# KiCad board TERES_PCB1-A64-MAIN_Rev.B.kicad_pcb (continued)
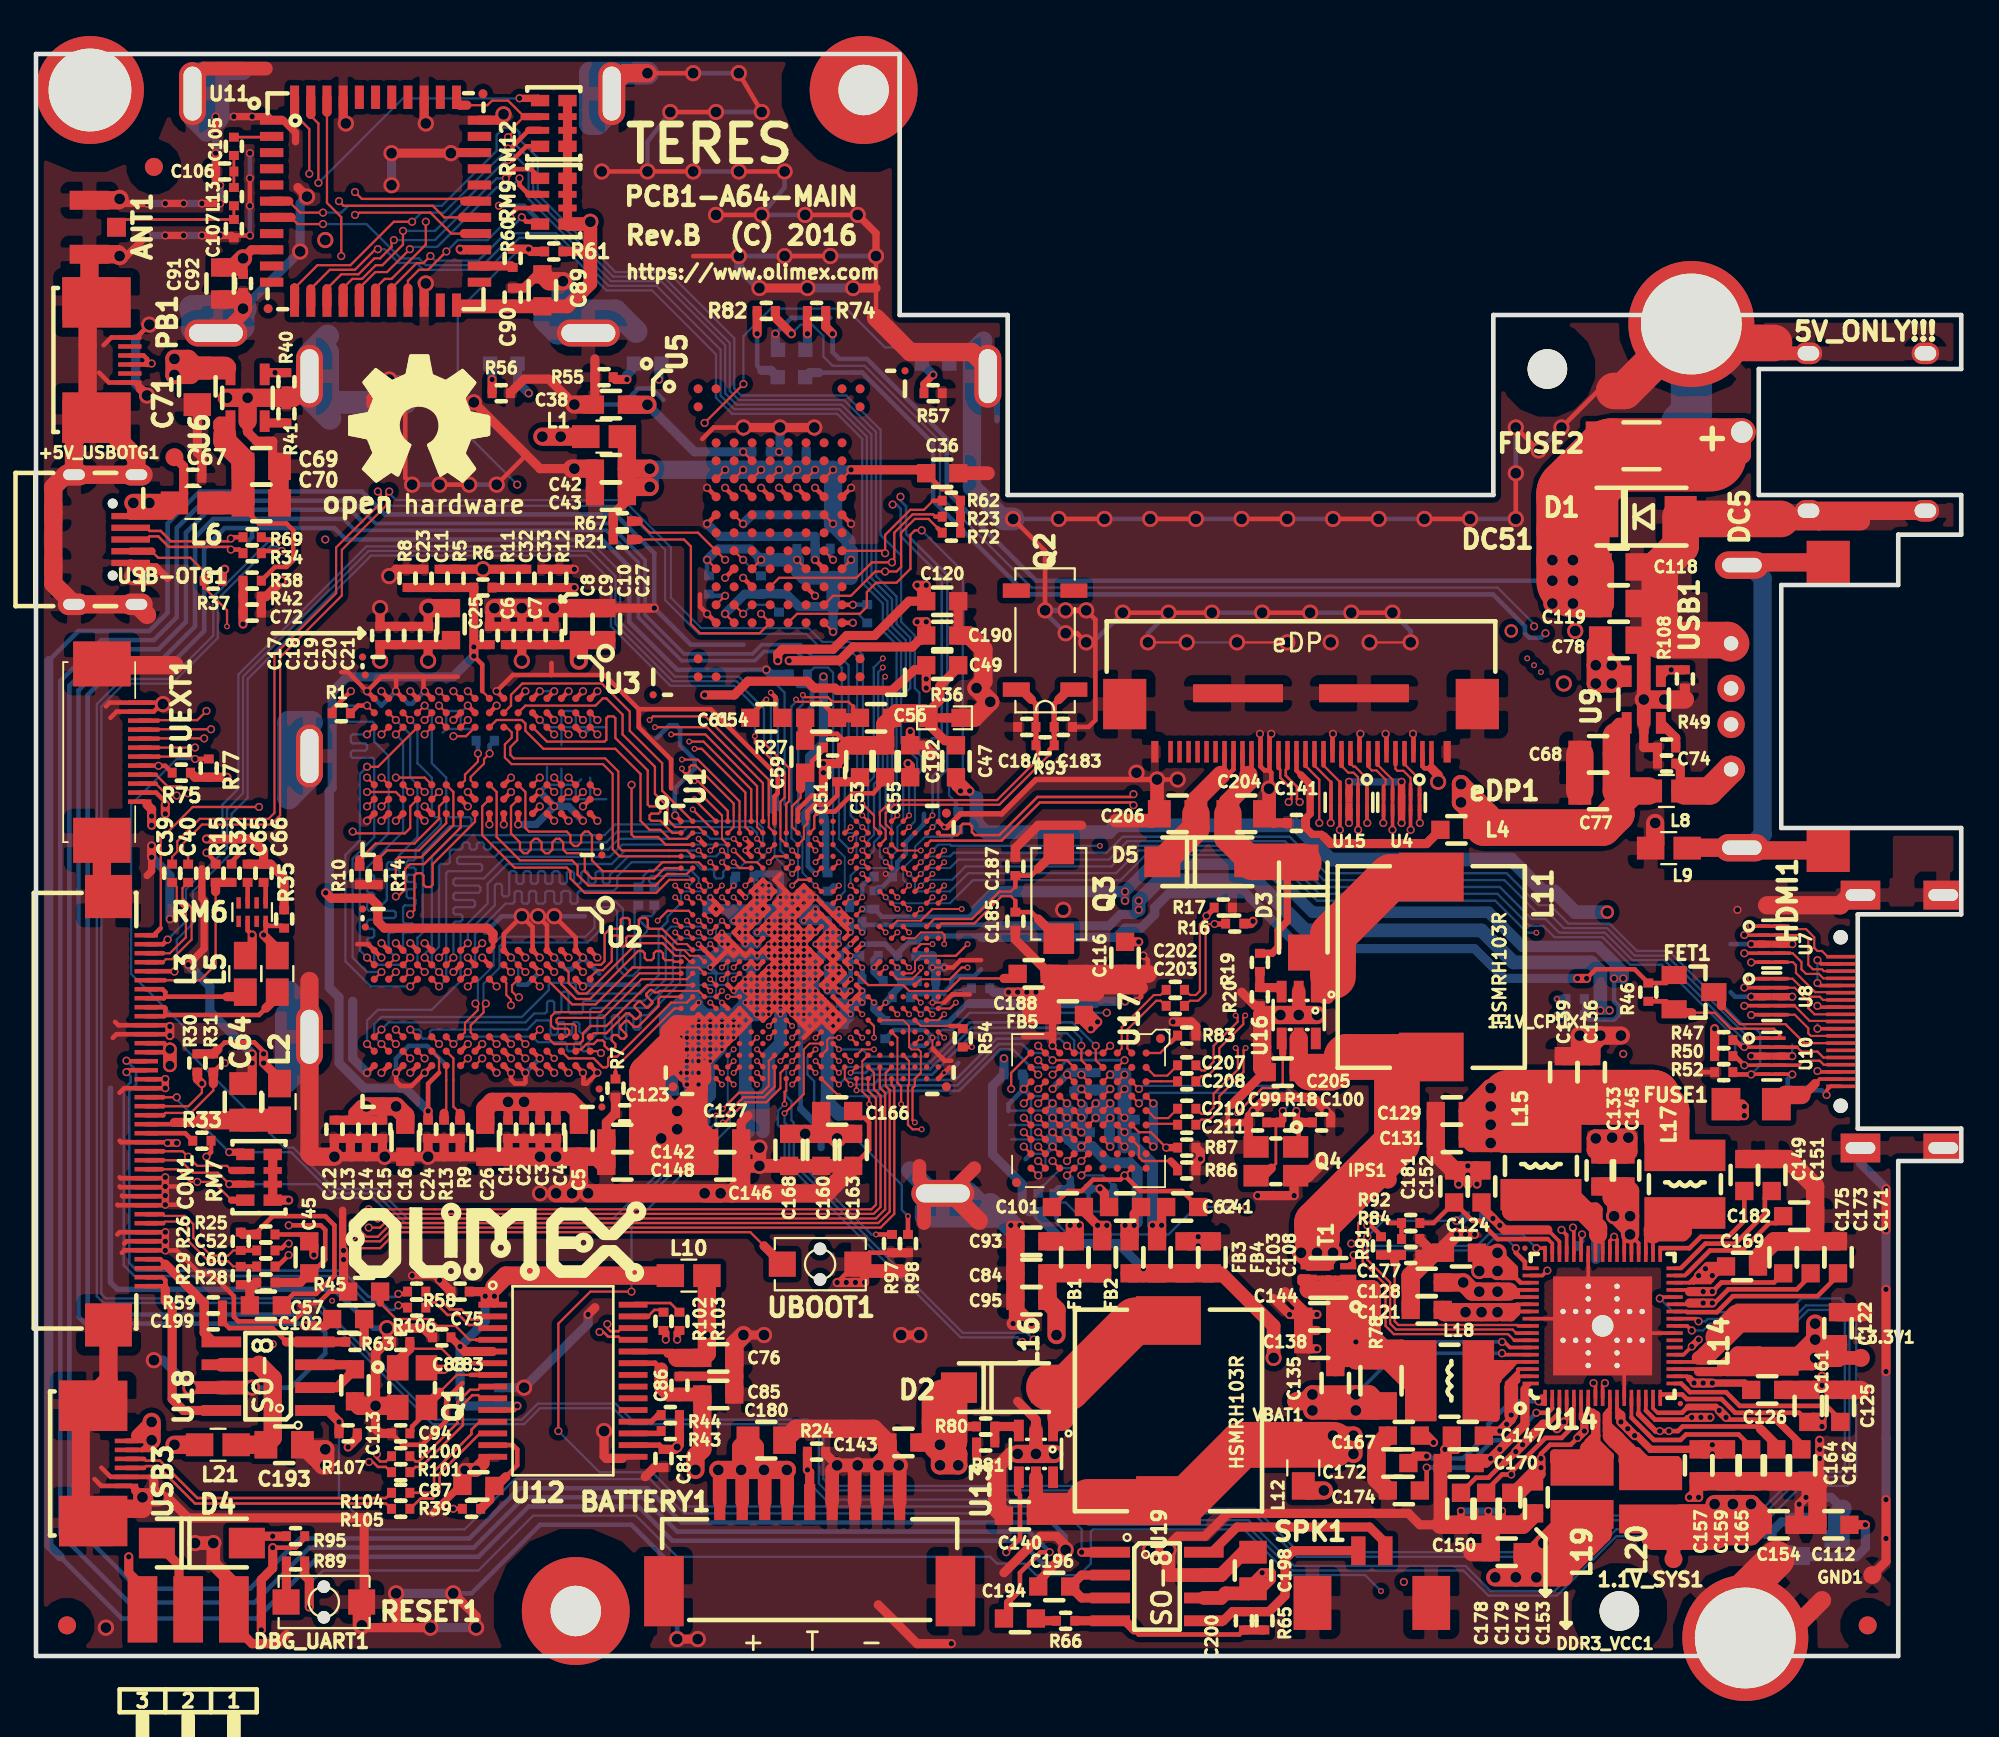
[diagram p0: board, top side]
## Routing (per net, layer and track width the routed paths; a pad name or vN(x,y) marks a point on that pad's centre or on a via; arc(x,y) is an arc through that point) (continued)
  Top w2.032: 96.72,5.39 95,3.66 95,1 ; 96.6,72.95 93.05,72.95 92,74 88.28,70.28 87.71,70.28 ; 96.98,63.17 91.53,63.17 91.41,63.3 91.41,61.66 90.25,60.5 90.25,56.44 94.03,56.44 USB1.4
  In1.Cu w0.107: 36.5,39.88 39.75,39.88 v4(40.07,40.2) 39.75,40.52 35.2,40.52 ; 36.5,39.88 35.85,39.88 ; 36.5,39.88 36.5,43.12 ; 35.2,42.48 41.05,42.48 v4(41.38,42.15) ; 39.1,44.42 37.15,44.42 ; 39.1,44.42 39.1,37.92 ; 39.1,44.42 v4(39.43,44.75) ; 37.15,44.42 36.18,44.42 ; 37.15,44.42 U1.C3 37.8,45.08 ; 37.15,44.42 37.15,43.12 ; 38.45,45.08 39.1,45.08 v4(39.43,45.4) U1.C7 43.65,45.08 46.25,45.08 ; 38.45,45.08 37.8,45.08 ; 38.45,45.08 U1.R5 ; 39.75,37.92 40.4,37.92 v4(40.72,38.25) ; 39.75,37.92 39.75,41.83 v4(39.43,42.15) ; 39.75,37.92 39.1,37.92 ; U1.R5 U1.R6 v4(39.43,37.6) ; U1.R5 37.15,37.27 ; 37.8,36.62 36.5,36.62 ; 37.8,36.62 v4(38.12,36.3) ; 37.8,36.62 37.8,45.08 ; 39.1,34.03 38.57,34.03 38.45,33.9 38.45,33.38 44.95,33.38 ; 39.1,34.03 39.43,34.03 ; 39.1,34.03 40.4,34.03 ; 40.4,44.42 40.4,41.17 v4(40.72,40.85) ; 40.4,44.42 40.4,45.08 ; 40.4,44.42 46.25,44.42 ; 44.95,44.42 44.95,41.5 44.79,41.34 ; 45.6,41.83 45.6,41.17 v4(45.28,40.85) 44.95,40.52 44.95,38.9 ; 45.6,41.83 45.6,42.48 ; 45.6,41.83 46.25,41.83 ; 48.2,45.73 48.85,45.08 48.85,44.42 ; 48.2,45.73 48.2,46.38 ; 48.2,45.73 46.25,45.73 ; 48.2,46.38 48.2,47.02 ; 48.2,46.38 45.6,46.38 45.6,43.12 ; 48.2,46.38 U1.A23 ; 49.5,42.48 49.5,45.08 49.82,45.4 ; 49.5,42.48 49.5,41.83 ; 49.5,42.48 50.8,42.48 ; 49.82,45.4 v4(50.47,46.05) ; 49.82,45.4 50.15,45.08 50.15,43.77 ; 50.15,43.77 50.15,43.12 ; 50.15,43.77 48.85,43.77 ; 47.55,41.83 47.55,42.8 ; 47.55,41.83 47.55,39.88 ; 47.55,41.83 48.85,41.83 ; 48.85,41.83 48.85,43.77 ; 48.85,41.83 48.85,40.85 ; 48.85,43.77 48.85,44.42 ; 48.85,44.42 50.8,44.42 ; 50.15,43.12 50.15,41.83 ; 50.15,43.12 47.88,43.12 ; 50.15,43.12 50.8,43.12 ; 43.65,39.88 46.57,39.88 ; 43.65,39.88 43.65,38.9 ; 43.65,39.88 v4(43.32,40.2) 43.65,39.88 ; 46.25,36.62 U1.T13 v4(43.32,36.3) 43.65,35.97 46.9,35.97 ; 46.25,36.62 50.47,36.62 ; 46.25,36.62 46.25,33.05 ; 46.9,35.97 48.2,35.97 ; 46.9,35.97 46.9,38.58 ; 44.62,35.33 U1.V14 44.3,40.52 ; 44.95,33.38 U1.R15 v4(45.28,37.6) 45.6,37.27 45.6,32.72 41.7,32.72 ; 44.95,33.38 44.95,32.08 ; 50.15,35 50.15,35.97 v4(49.82,36.3) ; 48.85,35.97 49.5,35.97 49.5,35 ; 48.85,35.97 48.2,35.97 ; 48.85,35.97 48.85,38.58 ; 48.85,35.97 48.85,35.33 ; 48.2,35.97 48.2,35 ; 48.2,35.97 48.2,38.58 ; 46.25,38.9 46.25,38.58 46.25,38.9 ; 46.25,38.9 46.25,37.6 ; 50.15,39.88 50.15,38.58 v4(50.47,38.25) ; 46.25,45.73 43.65,45.73 ; 46.25,45.73 46.25,45.08 ; 46.25,44.42 46.25,43.77 41.7,43.77 ; 46.25,44.42 46.25,45.08 ; 46.25,44.42 47.55,44.42 ; 45.6,43.12 45.6,42.48 ; 45.6,43.12 41.7,43.12 ; 45.6,42.48 44.3,42.48 ; 39.1,37.92 35.53,37.92 ; 37.15,43.12 U1.M3 ; 37.15,43.12 36.5,43.12 ; 36.5,43.12 35.85,43.12 ; 35.85,43.12 35.2,43.12 ; 35.85,43.12 35.85,39.88 ; 35.85,39.88 35.2,39.88 ; 45.6,38.9 45.6,39.88 v4(45.28,40.2) ; 44.95,32.08 44.95,31.42 ; 44.95,32.08 37.8,32.08 ; 44.95,32.08 45.6,32.08 ; 40.4,34.03 46.9,34.03 ; 40.4,34.03 40.4,34.67 ; 40.4,34.67 39.75,34.67 ; 40.4,34.67 41.7,34.67 ; 41.7,32.72 41.7,34.67 ; 41.7,32.72 38.45,32.72 38.45,31.42 ; 41.7,34.67 43.97,34.67 ; 48.2,41.83 48.2,39.55 ; 47.55,37.6 47.55,38.58
  In1.Cu w0.127: 30.8,47.6 30.8,53.2 v2(30.4,53.6) U3.B1 30,48.4 ; 30.8,47.6 U3.A9 ; 30.8,47.6 30.1,47.6 ; 30,48.4 30,46.9 ; 30,48.4 28.4,48.4 ; 29.2,45.8 29.2,53.2 v2(28.8,53.6) ; U3.M1 22,47.6 ; U3.M1 22.8,53.2 ; U3.M1 v2(21.6,53.6) 21.2,53.2 21.2,47.5 ; 20.4,50.7 U3.P1 v2(20,53.6) 19.6,53.2 19.6,51.6 ; 19.6,51.6 19.6,47.5 ; 19.6,51.6 31.9,51.6 ; 18.8,52.4 U3.T1 v2(18.4,53.6) ; 18.8,52.4 18.8,48.4 ; 18.8,52.4 U3.J2 ; 18.8,48.4 18.8,47.6 ; 18.8,48.4 18.1,48.4 ; 28.4,48.4 28.4,49.2 ; 28.4,48.4 v2(28,48) ; 18.8,47.6 U3.T9 19.6,46.8 ; 18.8,47.6 18.1,47.6 ; 22.8,53.2 23.6,53.2 23.6,54 ; 22.8,53.2 22.8,54 ; 23.6,38.4 19.6,38.4 19.6,33.5 ; 23.6,38.4 23.6,33.6 ; 23.6,38.4 v2(24,38.8) ; U2.P1 21.2,39.2 ; U2.P1 20.4,37.6 ; U2.P1 v2(20,39.6) ; 21.2,39.2 U2.M1 ; 21.2,39.2 21.2,32.8 ; U2.M1 22.8,39.2 ; U2.M1 22,37.6 ; 22.8,39.2 25.3,39.2 ; 22.8,39.2 22.8,33.4 ; 23.6,33.6 23.6,32.8 24.4,32.8 ; 23.6,33.6 25.2,33.6 ; 25.2,33.6 26.8,33.6 ; 25.2,33.6 25.2,32.7 ; 26.8,33.6 27.7,33.6 27.7,33.5 v2(28,33.2) 28.4,32.8 28.4,32 ; 26.8,33.6 26.8,34.3 ; 29.2,32 29.2,32.8 v5(28.8,33.2) ; 21.2,32.8 21.2,32.7 ; 21.2,32.8 U2.P9 ; 20.4,37.6 20.4,34.4 18.8,34.4 U2.T9 v2(18.4,32.4) ; 20.4,37.6 24.4,37.6 ; 26.8,38.4 U2.E2 ; 26.8,38.4 v2(26.4,38.8) ; 26.8,38.4 26.8,37.6 ; 55.3,27.9 U17.J9 v2(55.7,26.7) 56.1,27.1 ; 55.3,27.9 55.3,28.7 ; 55.3,27.9 58.4,27.9 ; 56.1,27.1 56.1,32.7 ; 56.1,27.1 56.9,27.1 ; 56.1,32.7 56.1,34.3 ; 56.1,32.7 55.3,32.7 ; 56.9,27.1 57.7,27.1 ; 56.9,27.1 U17.G8 ; 57.7,27.1 61.4,27.1 ; 57.7,27.1 57.7,34.4 ; 57.7,27.1 57.7,26.3 ; 55.3,33.5 55.3,34.3 ; 55.3,33.5 55.3,32.7 ; 55.3,33.5 58.5,33.5 ; 58.5,33.5 59.3,33.5 ; 58.5,33.5 58.5,34.2 ; 59.3,33.5 60,33.5 ; 59.3,33.5 59.3,34.2 ; 60.9,31.9 60.9,32.7 60.1,32.7 60.1,31.1 v2(59.7,30.7) ; 60.9,31.9 60.9,31.1 61.7,31.1 ; 60.9,31.9 U17.J3 ; 61.7,31.1 62.6,31.1 ; 61.7,31.1 61.7,30.4 ; 55.3,32.7 U17.J3 ; U17.J3 55.3,31.1 ; 55.3,31.1 55.3,30.3 ; 55.3,31.1 58.9,31.1 ; 55.3,30.3 55.3,29.5 ; 55.3,30.3 U17.E5 ; 55.3,30.3 54.6,30.3 ; 55.3,29.5 55.3,28.7 ; 55.3,29.5 54.6,29.5 ; 55.3,29.5 61,29.5 ; 55.3,28.7 54.6,28.7 ; 55.3,28.7 60.9,28.7 ; 24.4,32.8 U2.G9 26,34.5 ; 24.4,32.8 24.4,34.4
  In1.Cu w0.508: v2(25.73,80.57) 26.24,80.95 29.92,80.95 v1(31.44,82.47)
  In1.Cu w0.711: 49.82,40.85 v4(45.28,40.85) v4(44.62,41.5) ; 47.22,37.6 47.55,37.6 v4(43.32,37.6) ; 46.57,38.9 v5(42.68,38.9) ; v4(42.03,40.85) 42.03,41.5 42.68,41.5 42.68,48
  In1.Cu w0.762: v1(11.51,74.85) 11.51,74.47 10.53,73.5 HOLE5.1
  In1.Cu w1.016: 93.8,69.9 93.8,70.79 95.38,72.37 DC5.2 DC5.2 ; 94.6,63.6 94.62,63.62 DC5.2
  In1.Cu w2.032: 90.88,66.98 93.8,69.9
  In1.Cu w2.286: 100.8,4.5 98.5,4.5 95,1 95,4.4 93.5,5.9 ; 91.9,56.4 94.07,56.4 USB1.4 ; 89.2,69.1 92,71.9 92,74
  In2.Cu w0.107: 37.8,42.48 38.45,42.48 ; 37.8,42.48 v4(37.47,42.15) ; 37.8,42.48 37.8,45.08 38.45,45.08 ; 38.45,42.48 U1.G6 v4(39.43,42.15) ; 38.45,42.48 38.45,45.08 ; 40.4,37.92 39.75,37.92 ; 40.4,37.92 v5(40.72,37.6) ; 40.4,37.92 U1.R8 ; 40.4,37.92 40.4,42.48 ; 39.75,37.92 39.1,37.92 ; 39.75,37.92 39.75,39.88 ; 37.15,38.25 37.15,37.92 37.8,37.92 ; 40.72,32.08 40.4,32.08 U1.R8 ; 40.72,46.38 40.4,46.38 40.4,45.08 ; U1.R8 U1.R5 ; 37.8,36.62 37.8,37.92 ; 37.8,36.62 v4(38.12,36.3) ; 37.8,36.62 37.15,36.62 ; 37.8,37.92 39.1,37.92 ; U1.R5 37.15,37.27 ; U1.R5 38.45,38.9 ; 39.1,37.92 39.1,39.88 ; 39.75,40.52 39.75,41.17 ; 39.75,40.52 39.75,39.88 ; 39.75,40.52 39.1,40.52 ; 39.1,40.52 39.1,41.17 ; 39.1,40.52 39.1,39.88 ; 39.1,41.17 39.1,43.12 ; 39.1,41.17 38.45,41.17 38.45,40.52 ; 39.75,39.88 39.1,39.88 ; 38.45,33.38 38.45,32.72 ; 38.45,33.38 41.7,33.38 ; 38.45,33.38 38.45,33.9 38.57,34.03 39.43,34.03 ; 38.45,32.72 38.45,31.1 ; 38.45,32.72 39.43,32.72 ; 39.43,32.72 39.1,32.72 39.43,32.72 ; 39.43,32.72 41.7,32.72 ; 39.43,34.03 39.1,34.03 39.43,34.03 ; 39.43,34.03 45.6,34.03 ; 39.1,32.08 37.8,32.08 ; 39.1,32.08 45.6,32.08 ; 39.1,32.08 39.43,32.08 ; 41.7,33.38 44.95,33.38 ; 41.7,33.38 41.7,32.72 ; 41.7,32.72 45.6,32.72 ; 45.6,34.03 46.25,34.03 ; 45.6,34.03 45.6,41.83 ; 46.25,34.03 46.9,34.03 ; 46.25,34.03 46.25,35 ; 48.85,35.97 U1.U12 v5(42.68,36.3) ; 48.85,35.97 48.85,35 48.2,35 48.2,36.3 ; 48.85,35.97 49.5,35.97 ; 44.3,36.62 U1.T12 v5(42.68,36.95) ; 44.3,36.62 44.95,36.62 ; 44.3,36.62 44.3,40.52 ; 49.18,39.88 43.65,39.88 v4(43.32,40.2) ; 37.15,44.42 U1.C3 v4(36.82,45.4) ; 37.15,44.42 37.15,42.48 ; 37.15,44.42 44.95,44.42 ; 38.45,45.08 40.4,45.08 ; 40.4,42.48 40.4,45.08 ; 40.4,42.48 45.6,42.48 ; 46.57,45.08 46.25,45.08 46.57,45.08 ; 46.57,45.08 42.68,45.08 ; 44.95,36.62 50.47,36.62 ; 44.95,36.62 44.95,44.42 ; 44.95,44.42 47.55,44.42 ; 45.6,41.83 45.6,46.38 ; 45.6,41.83 48.2,41.83 48.2,37.6 ; 46.25,37.6 46.25,38.9 46.9,38.9 46.9,37.6 ; 46.25,37.6 46.25,37.92 46.25,37.6 ; 49.5,35.97 50.15,35.97 50.15,35 49.5,35 49.5,35.97 ; 48.85,44.1 48.85,37.6 ; 44.95,35 44.95,30.78 ; 43.65,38.9 43.65,40.85 ; 39.43,34.67 42.68,34.67 ; 47.55,37.6 47.55,42.48 ; 41.38,43.12 43.97,43.12 ; 41.38,43.77 43.97,43.77 ; 46.57,45.73 44.95,45.73
  In2.Cu w0.127: 54.5,30.3 54.5,31.1 v2(54.9,31.5) ; 54.5,30.3 54.5,29.5 ; 54.5,30.3 61.7,30.3 61.7,31.1 60.9,31.1 ; U17.J9 56.1,27.1 ; U17.J9 55.3,27.9 ; U17.J9 54.5,27.1 54.5,28.7 ; 56.1,27.1 56.9,27.1 ; 56.1,27.1 56.1,34.3 ; 55.3,27.9 55.3,31.1 ; 55.3,27.9 58.5,27.9 ; 55.3,31.1 U17.J3 ; 55.3,31.1 60.1,31.1 ; 54.5,28.7 54.5,29.5 ; 54.5,28.7 61,28.7 ; 54.5,29.5 61.5,29.5 ; U17.J3 55.3,32.7 ; U17.J3 60.9,31.9 60.9,31.1 ; 55.3,32.7 55.3,33.5 ; 55.3,32.7 60.1,32.7 ; 60.9,31.1 60.1,31.1 ; 55.3,33.5 55.3,34.3 ; 55.3,33.5 56.1,33.5 ; 56.9,27.1 57.7,27.1 ; 56.9,27.1 56.9,34.3 ; 57.7,27.1 61.7,27.1 ; 57.7,27.1 57.7,26.3 ; 57.7,27.1 57.7,33.5 ; 57.7,33.5 57.7,34.4 ; 57.7,33.5 58.5,33.5 58.5,34.3 59.3,34.3 59.3,33.5 ; 60.1,32.7 60.9,32.7 ; 60.1,32.7 60.1,31.1
  In2.Cu w0.254: v1(27.9,41.1) v1(27,41.1) ; v2(94.56,41.45) 93.8,41.45 89.99,45.26 v1(89.99,46.28) ; v4(50.47,46.05) 51.34,46.91 51.89,46.91 61.29,56.31 v1(69.54,56.31) v1(71.96,56.31) ; v1(28.8,41.1) 28,40.9 27.2,40.9 26.4,40.1 v2(26.4,38.8)
  In2.Cu w0.508: 35.85,45.4 35.53,45.73 v2(35.53,46.7) ; 0.71,56.31 0.71,1.58 1.6,0.69 17.09,0.69 v1(18.11,1.7) 23.95,7.54 32.46,7.54 37.92,2.08 ; 37.92,2.08 39.32,0.69 v2(50.88,0.69) 84.91,0.69 ; 37.92,2.08 v1(36.78,0.94) ; v1(71.96,56.31) v1(74.12,56.31) 79.07,56.31 82.75,52.63 83.64,52.63 v1(89.99,46.28) ; U1.U2 v4(36.82,36.3)
  In2.Cu w0.711: 41.38,43.45 36.82,43.45 35.85,44.42 ; 41.38,43.45 v4(41.38,42.15) v4(42.03,42.15) ; 41.38,43.45 41.38,43.77 41.38,43.12 41.38,45.4 ; 46.57,40.85 46.57,49.3 ; 46.57,40.85 51.45,40.85 ; 46.57,40.85 v4(45.28,40.85) ; 49.18,45.73 49.18,48.65 ; 36.5,36.95 36.5,37.92 36.82,38.25 v4(37.47,38.25) ; 39.43,35.65 39.43,24.92 ; 40.72,33.38 40.72,29.15 ; 45.16,35 45.28,35 ; 45.16,35 50.8,35 ; 45.16,35 43.97,35 43.97,30.45 ; 42.68,30.45 v4(42.68,35.65) ; 39.43,49.62 39.43,45.08 v4(39.43,45.4) v4(39.43,44.75) ; 42.68,49.3 42.68,42.15 v5(41.38,40.85) ; 51.78,38.9 v5(42.68,38.9) ; 43.97,41.17 43.32,40.52 v4(43.32,40.2) ; 51.78,37.6 46.9,37.6 47.22,37.6 v4(43.32,37.6) ; 37.8,46.38 v4(36.82,45.4) 35.85,45.4 ; v4(40.07,38.9) 38.45,38.9 ; v4(41.38,35.65) 41.38,34.03
  In2.Cu w0.762: 41.38,45.4 40.72,46.05 40.72,49.3 ; 35.85,45.4 35.85,44.42 ; 48.53,45.08 48.2,44.75 48.2,44.1 47.22,43.12 46.57,43.12 ; 48.53,45.08 49.18,45.73 ; 48.53,45.08 47.22,46.38 ; 41.38,34.03 40.72,33.38 ; 43.97,35 43.97,35.65 v4(43.32,36.3) ; 37.8,46.38 37.8,49.95 ; v5(40.07,35.65) 39.43,35.65
  In2.Cu w1.016: 33.9,32.4 33.9,33.38 U1.U2 ; 29.3,44.3 27,42 v1(27,41.1) ; 99.52,1.58 95.57,1.58 95,1 ; 35.53,44.1 31.16,44.1 29.28,42.22 28.8,42.22 v1(27.9,41.1)
  In2.Cu w2.032: 96.47,73.08 92.92,73.08 92,74 ; USB1.4 92.08,56.26 ; 92,74 92,69.05 92.02,69.03 ; 92,74 88.5,70.5 88.5,68.03
  In3.Cu w0.107: 47.22,41.5 47.55,41.83 47.55,43.12 v4(47.22,43.45) 47.55,43.77 48.85,43.77 ; 48.85,43.77 49.5,43.77 ; 48.85,43.77 48.85,44.42 50.8,44.42 ; 50.15,43.77 50.15,45.73 v4(50.47,46.05) U1.A23 48.2,46.38 ; 50.15,43.77 50.8,43.77 ; 50.15,43.77 49.5,43.77 ; 49.5,43.77 49.5,45.08 ; 44.95,41.83 44.95,43.45 ; 44.95,41.83 v4(44.62,41.5) ; 44.95,41.83 46.25,41.83 46.25,39.88 U1.L15 ; U1.L15 44.3,39.88 ; U1.L15 44.95,40.52 ; U1.L15 44.95,36.62 ; 42.68,43.77 41.7,43.77 41.7,43.12 43.65,43.12 ; 40.4,41.83 40.4,42.48 42.68,42.48 ; 39.75,40.52 38.45,40.52 ; 39.75,40.52 v4(40.07,40.2) ; 39.75,40.52 39.75,41.17 ; 38.45,40.52 37.8,40.52 ; 38.45,40.52 38.45,41.17 ; 37.15,39.88 39.75,39.88 39.75,37.92 39.1,37.92 39.1,38.58 ; 37.15,39.88 37.15,41.17 36.5,41.17 36.5,39.55 ; 37.15,39.88 v4(36.82,39.55) ; 37.8,40.52 35.2,40.52 ; 37.8,40.52 37.8,41.17 ; 36.5,39.55 36.5,39.88 36.5,39.55 ; 44.3,39.88 43.65,39.88 ; 44.3,39.88 44.3,40.52 ; 44.3,39.88 44.3,39.23 ; 43.65,39.88 43.65,39.23 44.3,39.23 ; 43.65,39.88 U1.L12 ; 44.3,39.23 44.3,36.62 ; 44.3,36.62 44.3,35.97 U1.U12 v4(42.68,35.65) ; 44.3,36.62 44.95,36.62 ; 44.95,36.62 45.6,36.62 ; 45.6,36.62 47.55,36.62 ; 45.6,36.62 45.6,37.27 ; 42.68,44.42 41.7,44.42 ; 35.85,39.55 35.85,41.17 ; v4(45.28,40.2) 45.6,39.88
  In3.Cu w0.127: v2(56.5,32.3) 56.1,31.9 56.1,31.1 v2(56.5,30.7)
  In3.Cu w0.203: v2(37.3,57.9) 37.75,58.35 41.21,58.35
  In3.Cu w0.254: 96.34,30.28 96.34,32.31 v2(95.33,33.33) ; 68.28,30.5 68.28,34.72 v1(69.16,35.61) ; 59.77,20.88 62.69,20.88 v2(64.59,22.78) v2(64.59,23.29) 64.72,23.42 v2(64.72,27.61) 64.72,32.06 63.19,33.58 v2(63.19,35.23) 63.19,47.8 v1(62.31,48.69) ; 10.31,64.11 10.31,61.06 10.49,60.88 11.12,60.88 11.57,61.33 11.57,63.23 17.98,69.65 v1(20.52,69.65) ; v2(8.46,38.41) 8.46,39.93 v2(7.44,40.95) ; 38.43,47.3 37.03,48.69 37.03,50.72 35.13,52.63 33.22,52.63 33.22,54.15 30.56,56.82 ; HOLE4.1 52.9,68.51 53.42,68 53.42,64.19
  In3.Cu w0.305: v4(45.28,37.6) 45.96,37.6 46.51,37.06 50.24,37.06
  In3.Cu w0.406: 50.24,37.06 53.87,37.06 v2(54.05,36.88) v2(54.56,36.88) v2(55.07,36.88)
  In3.Cu w0.508: v1(40.21,27.23) v1(40.21,28.25) ; 3.89,0.69 17.09,0.69 v1(18.11,1.7) ; 3.89,0.69 1.6,0.69 0.71,1.58 0.71,54.28 2.49,56.06 ; 3.89,0.69 v1(3.89,1.58) ; 40.08,47.3 41.99,45.39 42.36,45.39 42.68,45.08 ; 55.57,37.9 55.57,37.39 v2(55.07,36.88) ; v1(39.32,17.83) v1(40.46,17.83) v1(48.08,17.83) v1(49.1,17.83) 50.62,17.83 53.67,20.88 59.77,20.88
  In3.Cu w0.711: 42.68,42.15 42.68,45.08 ; v4(36.82,39.55) 35.85,39.55
  In3.Cu w0.762: v5(41.38,40.85) 42.68,42.15 ; 55.57,37.9 57.09,39.42 v1(57.09,41.45) ; 40.08,47.3 38.43,47.3
  In3.Cu w1.016: v1(30.68,25.7) v1(29.79,25.7) ; v1(28.91,25.7) v1(28.02,25.7)
  In3.Cu w2.286: 91.13,57.07 91.95,56.26 USB1.4 ; 88.09,68.76 92,72.67 92,74 92.92,73.08 96.34,73.08 ; 95,1 98.5,4.5 100.15,4.5
  In4.Cu w0.107: 40.4,34.67 40.4,35.65 v4(40.72,35.65) ; 40.4,34.67 40.4,34.03 ; 40.4,34.67 41.05,34.67 ; 41.7,32.72 41.7,35.33 v4(41.38,35.65)
  In4.Cu w0.254: v4(42.68,35.65) 42.68,35.97 43,36.3 v4(43.32,36.3) ; v4(42.68,35.65) v4(42.03,35.65) ; v4(42.68,35.65) v4(43.32,36.3) ; v4(42.03,40.85) v4(42.03,42.15) v4(41.38,42.15) ; v4(38.78,36.95) v4(39.43,36.95) ; v4(43.32,36.3) v4(43.32,36.95) ; v4(40.07,40.2) v4(40.72,40.2) ; v4(43.32,40.2) v4(42.68,40.2) ; v4(40.07,38.9) v4(40.72,38.9)
  In4.Cu w0.406: 41.7,42.15 41.7,40.85 ; v4(39.43,36.95) v4(39.43,37.6) v4(40.07,37.6) v5(40.72,37.6) ; v4(41.38,42.15) v5(41.38,40.85)
  Bottom w0.107: U1.R5 38.45,38.9 ; U1.R5 v4(38.78,36.95) ; U1.R5 36.5,37.27 ; 36.5,37.27 36.82,37.27 36.5,37.27 ; 37.8,37.92 39.1,37.92 v4(39.43,37.6) ; 37.8,37.92 36.5,37.92 36.5,38.25 ; 37.8,37.92 37.8,36.62 ; 37.8,36.62 v4(38.12,36.3) ; 37.8,36.62 36.5,36.62 36.82,36.62 v4(36.82,36.3)
  Bottom w0.127: v2(97.61,33.33) 97.61,33.96 ; v2(99.01,34.85) 99.01,35.1 ; v2(99.01,38.66) v2(99.01,37.39) ; v2(97.61,36.63) v2(95.33,36.63) ; v2(97.61,39.55) v2(95.33,39.55) ; v2(28,53.6) v2(28.8,53.6) ; 54.05,30.28 54.05,30.3 C80.1 ; v2(55.7,26.7) 56.1,27.1 56.1,27.9 55.3,27.9 55.3,31.1 56.1,31.1 v2(56.5,30.7) ; 26.8,37.3 26.8,38.4 v2(26.4,38.8) ; 22.8,51.5 22.8,52.3 23,52.5 23.6,52.5 ; 22.8,51.5 22.6,51.3 ; 22.8,51.5 23.6,51.5 ; 29.2,47.6 30,47.6 ; 29.2,47.6 v2(28.8,47.2) ; 29.2,47.6 29.2,49.3 ; 30,47.6 30.8,47.6 ; 30,47.6 30,48.4 ; 30.8,47.6 31.7,47.6 ; 30.8,47.6 30.8,48.8 ; 30,48.4 30.3,48.7 ; 30,48.4 28.4,48.4 28.4,49.4 ; 31.7,51.6 28.4,51.6 v2(28,52) ; 30.8,51.6 30.8,52.5 ; U3.B3 30,52.5 29.2,52.5 29.2,50.6 ; C22.1 39.91,42.63 v4(39.43,42.15) ; 23.6,51.5 24.5,51.5 ; 23.6,51.5 23.6,52.5 ; 23.6,52.5 23.7,52.5 v2(24,52.8) ; v1(66.75,56.31) v1(63.96,56.31) ; C63.1 54.2,28.7 ; 56.5,29.5 54.1,29.5
  Bottom w0.203: C117.1 43.99,41.8 43.8,41.8 43.45,42.15 v4(43.32,42.15) ; C186.1 45.28,38.38 45.28,38.2
  Bottom w0.254: v1(27.9,41.1) v1(28.8,41.1) 30.5,41.1 ; 24.97,40.18 25.89,41.1 v1(27,41.1) ; 33.5,37.3 30.5,37.3 v2(30.4,37.2) ; C189.1 47.01,42.7 46.79,42.7 C109.2 ; C197.2 44.62,41.07 44.62,41.17 ; 37.15,35.65 37.47,35.65 v4(36.82,36.3) ; v2(11.89,78.92) v2(11.89,80.57) ; v2(11.89,82.09) v2(11.89,83.49) ; 39.32,56.19 36.4,56.19 v2(34.37,58.22) 34.37,61.27 32.21,63.42 19.38,63.42 18.11,64.69 9.09,64.69 7.31,62.92 7.31,57.96 6.3,56.95 2.36,56.95 0.71,55.3 ; v1(6.3,73.97) 5.54,73.2 ; v1(46.69,77.78) v1(44.15,77.78) v1(41.6,77.78) ; v1(41.6,77.78) v1(39.06,77.78) ; v1(41.6,77.78) 40.08,77.78 ; v1(42.75,80.06) v1(40.34,80.06) 41.6,81.59 v1(41.6,82.47) ; v1(39.06,82.47) v1(36.53,82.47) ; v1(33.99,82.47) 33.99,84.12 v1(35.25,85.78) ; v1(37.79,85.78) v1(40.34,85.78) ; v1(39.06,87.94) v1(36.53,87.94) ; 50.01,36.48 v4(49.82,36.3) ; C110.1 47.68,34.77 49.4,34.77 v4(49.82,34.35) 49.38,33.9 48.6,33.9 ; v1(20.9,65.08) v1(22.43,65.08) ; v1(24.08,65.08) v1(25.6,65.08) ; 42.49,30.4 42.49,34.49 42.68,34.67 ; 51.26,32.94 50.71,32.4 v4(50.47,32.4) ; 54.05,30.28 54.05,30.65 v2(54.9,31.5) 55.3,31.1 ; 55.3,27.9 55,27.6 ; 56.1,27.9 v2(56.5,28.3) ; 26.8,37.3 27.3,37.3 v2(28,38) ; 34.5,51 35.2,51.7 35.6,51.7 35.8,51.5 35.8,50.6 36.6,49.8 36.6,49.3 35.5,48.2 35.5,46.7 ; v2(21.6,53.6) 20.9,52.9 20.7,52.9 v2(20,53.6) 19.2,52.8 v2(18.4,53.6) ; 44.62,41.17 44.2,41.6 C117.1 44.29,41.5 v4(44.62,41.5) 44.62,41.17 ; v1(61.8,56.31) 61.8,56.82 v1(62.94,57.96) ; v1(65.35,57.96) v1(68.15,57.96) ; v1(70.81,57.96) v1(73.1,57.96) ; v1(75.39,57.96) 76.4,56.95 v1(76.4,56.31) ; v1(60.4,57.96) 58.75,56.31 v1(58.37,56.31) ; v1(57.23,56.82) 56.08,57.96 v1(56.08,58.09) ; v1(54.31,63.17) v1(56.84,63.17) ; v1(59.38,63.17) v1(61.93,63.17) ; v1(64.47,63.17) v1(67,63.17) ; v1(69.54,63.17) v1(72.09,63.17) ; v1(74.62,63.17) v1(77.16,63.17) ; v1(79.71,63.17) v1(82.25,63.17) ; v1(82.25,65.71) v1(82.25,68.25) ; v1(83.51,66.98) v1(84.78,68.25) ; 94.18,36.88 94.44,36.63 v2(95.33,36.63) ; 12.01,62.66 10.49,62.66 9.98,62.15 ; 12.01,62.66 16.59,62.66 17.22,62.03 31.44,62.03 32.97,60.5 32.97,57.45 35.64,54.79 v2(40.59,54.79) ; 12.01,62.66 12.01,62.15 11.76,61.9 ; v2(25.73,80.57) 27.13,80.57 27.89,79.81 27.89,79.68 ; v2(27.2,32.4) v2(28,33.2) ; v4(40.07,37.6) v4(39.43,37.6) v4(39.43,36.95) ; v4(40.07,37.6) v5(40.72,37.6) ; v4(40.07,37.6) v5(40.07,36.95) v4(39.43,36.95) ; v4(39.43,36.95) v4(38.78,36.95) v4(39.43,36.3) ; 44.15,74.35 41.99,74.35 v2(41.1,73.46) ; v4(37.47,38.25) 37.8,37.92 ; R53.2 58.5,25.32 ; 49.35,46.79 49.35,46.23 48.34,45.21 48.34,44.56 47.88,44.1 47.88,43.77 47.55,43.45 v4(47.22,43.45) ; 9.98,62.15 9.98,61.65 ; 9.98,62.15 9.35,61.52 9.35,56.95 7.31,54.91 4.39,54.91 2.87,53.39 2.87,19.36 3.25,18.97 15.06,18.97 16.08,17.96 16.08,16.81 14.17,14.91 v1(12.01,14.91) ; v1(29.92,69.53) 32.59,69.53 33.48,70.41 34.24,70.41 34.87,69.77 ; v4(38.12,40.2) v4(38.12,39.55) ; 22.68,32.94 21.73,33.9 20.71,33.9 20,33.18 v2(20,32.4) ; 52.53,38.15 52.15,37.77 51.13,37.77 50.88,37.52 50.88,37.26 50.41,36.8 49.99,36.8 ; 30.8,51.6 v2(30.4,51.2) U3.B3 ; 38.12,35.65 v4(38.12,36.3) ; 41.86,54.53 41.86,54.41 42.37,53.9 42.88,53.9 43.13,53.65 43.13,52.76 43,52.63 43,52.12 42.88,51.99 ; v2(28,48) 28.4,48.4 ; C191.1 v4(45.28,37.6) v4(45.28,38.25) v4(45.28,38.9) C186.1 ; 18.11,63.04 17.47,63.68 9.6,63.68 8.33,62.41 8.33,57.45 6.81,55.93 3.89,55.93 1.85,53.9 1.85,7.54 5.66,3.73 11.89,3.73 14.68,6.53 24.08,6.53 26.87,9.32 33.99,9.32 35.89,7.42 56.46,7.42 57.23,6.66 v1(57.23,5.89) 57.23,5.13 55.96,5.13 54.69,6.4 35.38,6.4 33.48,8.31 27.38,8.31 24.59,5.51 15.7,5.51 12.27,2.08 4.78,2.08 1.35,5.51 ; v2(28.8,38.8) 29.45,38.15 29.75,38.15 v2(30.4,38.8) 31.3,37.9 ; v1(23.19,3.48) 24.21,3.48 28.02,7.29 33.1,7.29 35.64,4.75 v1(35.64,0.94) ; v2(95.33,39.55) 94.18,39.55
  Bottom w0.305: v1(56.08,58.09) v1(57.23,58.09) ; 50.01,36.8 48.81,36.8 C114.1 ; 53.42,68.63 53.42,70.58 HOLE4.1 ; 4.14,31.55 4.14,20.75 4.52,20.37 16.59,20.37 18.75,18.21 v1(19.51,18.21)
  Bottom w0.406: v5(42.68,37.6) 42.69,37.6 C158.1 ; v5(42.68,37.6) v5(42.68,36.95) v4(43.32,36.95) v4(43.32,37.6) v5(42.68,37.6) ; v4(38.12,39.55) 38.12,39.63 C31.2 ; v4(41.38,42.15) 41.38,43.45 40.06,43.45 C22.1 ; v4(37.47,42.15) 37.47,41.68 C29.2 ; v2(6.17,80.7) v2(7.19,80.7) ; v2(8.2,80.7) v2(9.22,80.7) ; v2(10.24,80.7) v2(10.24,81.71) ; v2(6.17,78.92) v2(7.19,78.92) ; v2(8.2,78.92) v2(9.22,78.92) ; v2(9.98,83.49) v2(9.98,84.51) ; v2(9.98,85.52) v2(11,85.52) ; v2(75.9,48.56) v2(72.97,48.56) ; v2(79.2,8.05) v2(79.96,8.05) v2(80.72,8.05) v2(81.48,8.05) ; 50.01,36.48 C195.1 ; 43.64,28.25 43.64,29.26 42.49,30.4 ; v2(26.8,46.2) 27.8,46.2 v2(28.8,47.2) ; v2(28.8,47.2) 29.6,47.2 v2(30.4,46.4) ; v2(28.8,47.2) v2(28,48) ; v2(7.31,28.5) v2(7.82,28.5) ; v2(55.07,36.88) v2(55.57,36.88) ; v5(42.68,38.25) v4(43.32,38.25) v5(42.68,38.9) ; C130.1 C132.1 C134.1 ; v4(45.28,40.2) v4(45.28,40.85) 44.94,40.85 C197.2 ; v4(42.03,42.15) v4(43.32,42.15) ; R53.2 v2(59.13,25.96) ; v4(43.32,40.2) v4(42.68,40.2)
  Bottom w0.508: v2(102.82,25.96) 101.4,27.38 HDMI1.0 ; v2(102.82,23.67) v2(102.82,20.37) ; v2(102.82,15.8) v2(102.82,8.69) ; 100.1,8.48 99.77,8.81 v2(98.37,8.81) ; 1.35,5.51 0.71,6.15 0.71,55.3 ; 36.5,35.65 36.3,35.65 C127.1 36.69,36.3 v4(36.82,36.3) ; 43.32,35.33 v4(43.32,36.3) v4(43.32,36.95) ; 50.15,38.25 v4(50.47,38.25) ; 50.15,38.25 50.01,38.11 C195.1 ; 50.15,38.25 v4(49.82,38.25) 49.82,38.9 C79.1 ; v4(42.03,42.15) 41.84,41.97 C155.1 41.38,41.5 ; v4(42.03,42.15) v4(41.38,42.15) 41.38,41.5 ; v4(42.03,42.15) 42.35,42.15 42.68,42.48 ; C73.1 43.32,38.58 v4(43.32,38.25) 43.32,37.92 ; 41.38,41.5 C28.2 ; 35.2,35.65 35.49,35.94 C134.1 ; 43.32,37.92 v4(43.32,37.6) ; 43.32,37.92 42.68,37.92 42.35,37.6 ; v1(21.54,70.92) v1(19.63,70.92) ; v2(59.7,29.9) v2(59.7,30.7) v2(58.9,30.7) v2(58.9,29.9) ; v2(59.7,29.9) 59.7,29.19 C97.1 59.7,29.01 v2(59.7,28.3) ; v2(59.7,29.9) v2(58.9,29.9) ; v2(55.07,36.88) v2(54.56,36.88) 54,36.88 ; v2(54.05,36.88) 54,36.88 ; 54,36.88 53.23,36.88 R109.1 ; 54.81,32.31 54.9,32.22 v2(54.9,31.5) ; v2(58.9,29.9) 58.9,29.99 C96.1 ; v2(56.5,28.3) 56.5,28.59 C63.1 56.5,28.81 v2(56.5,29.1) v2(56.5,29.9) 56.5,30.19 C80.1 56.5,30.41 v2(56.5,30.7) ; v2(64.59,22.78) v2(64.59,23.29) ; v2(17.09,22.02) v2(17.09,22.53) ; v4(36.82,36.3) 36.5,36.62 ; v4(36.82,36.3) 36.82,35.65 ; v2(30.68,18.97) 30.68,18.47 v1(27.13,14.91) C82.2 ; v1(21.92,1.58) v1(24.46,1.58) ; v1(23.19,3.48) v1(20.02,3.48) ; v1(6.55,16.43) 7.06,16.43 v1(8.58,14.91) v1(12.01,14.91) ; v2(6.43,44.37) 7.44,43.36 v2(7.44,40.95) ; v1(19.76,83.49) v1(19.76,81.71) ; v1(15.06,81.08) 14.68,80.7 v1(14.68,78.03) v1(11.51,74.85) ; v1(45.41,76) v1(42.88,76) ; v1(40.21,76) 39.06,77.14 v1(39.06,77.78) ; 41.35,66.9 v2(41.3,66.9) C37.1 ; 41.35,66.9 v1(41.35,68.25) ; 41.35,66.9 C44.2 ; v2(41.1,73.46) 41.1,72.7 PWRLED1.1 ; v2(8.46,38.41) 9.66,37.2 9.66,35.8 v2(12.01,33.45) ; 38.78,38.9 v4(40.07,38.9) v4(40.72,38.9) ; 43.69,35.27 C115.1 ; v4(40.07,40.2) v4(40.72,40.2) ; 41.86,54.53 40.84,54.53 v2(40.59,54.79) ; 86.69,22.02 C156.1 86.69,23.29 ; 17.6,36.37 17.6,33.2 v2(18.4,32.4) ; v4(38.12,39.55) 38.12,39.23 ; v4(42.03,40.85) U1.J10 40.72,41.17 v4(40.72,40.85) v5(41.38,40.85) ; v1(86.69,28.75) 86.74,28.8 ; v1(6.17,70.03) 5.54,70.66 5.54,73.2 ; v2(43.3,60.9) 43.31,60.91 C35.1 43.3,61.51 43.3,62.2 38,62.2 v2(37.3,62.9)
  Bottom w0.635: 35.85,35.65 38.78,35.65 v4(39.43,36.3)
  Bottom w0.711: 39.43,35.65 39.43,31.42 ; 40.72,31.42 40.72,33.38 41.38,34.03 v4(41.38,35.65) ; 43.97,34.67 43.97,30.78 ; 37.47,38.58 37.8,38.9 38.78,38.9 ; v4(42.68,35.65) 42.68,34.67
  Bottom w0.762: 43.97,30.78 44.62,30.12 45.31,30.12 ; 40.4,29.15 40.4,31.1 40.72,31.42 ; 39.57,29.13 39.57,31.28 39.43,31.42 ; 35,31.25 35,35.45 36.5,36.95 ; 36.5,36.62 36.5,36.95 ; 36.5,36.95 36.5,37.27 36.5,38.25 36.82,38.58 37.47,38.58 ; v1(71.2,35.61) v1(70.18,35.61) v1(69.16,35.61) ; 52.53,24.05 50.88,25.7 HOLE1.1 ; 43.97,34.67 43.32,35.33 ; v5(40.07,36.3) v5(40.72,36.95) ; v4(39.43,36.95) v4(39.43,36.3) ; v5(40.07,35.65) 39.43,35.65
  Bottom w1.016: 43.32,35.33 43,35.65 v4(42.68,35.65) ; 48.59,26.97 49.87,25.7 HOLE1.1 ; 100.41,8.18 100.1,7.88 HALLSW1.3 ; 11.51,88.06 9.22,88.06 8.7,87.54 HOLE8.1 8.7,85.41 9.47,84.63 ; 53.8,63.17 52.02,64.95 52.02,72.44 52.65,73.08 ; 92,74 93.05,72.95 96.47,72.95 ; v5(42.68,36.95) v5(42.68,36.3)
  Bottom w1.27: v1(11.51,74.85) 11.51,73.84 11.17,73.5 HOLE5.1 8.92,73.5 8.71,73.71 8.71,74.85 ; 16.33,68.76 15.2,69.89 HOLE3.1 15.2,72.33 16.2,73.33 ; 33.35,73.58 32.21,74.73 29.29,74.73 29.29,76.25 ; 28.27,74.22 28.99,73.5 HOLE6.1 ; 53.03,25.07 53.03,24.44 51.77,25.7 HOLE1.1 49.48,24.78 49.48,24.44 53.67,24.44 53.03,25.07 ; 53.03,25.07 v2(54.18,23.93) ; 15.32,51.87 14.05,51.87 14.05,47.68 15.2,48.83 HOLE9.1 ; 14.05,36.88 15.2,35.73 HOLE2.1 15.2,33.21 13.92,31.93 13.92,35.61 ; HOLE7.1 32,85.95 31.19,85.14 30.81,85.14 30.81,87.94 v1(33.99,87.94) ; v1(54.31,63.17) 53.8,63.17 ; v1(20.52,69.65) 16.2,69.65 16.2,72.44
  Bottom w1.524: v1(11.51,74.85) 8.71,74.85 ; v2(9.98,85.52) 9.98,87.68
  Bottom w2.286: 92,74 92,69.05 91.45,68.5
